# Altium PCB CMS015.PcbDoc
Units mm, origin at the board's own origin, x right, y up, seen from the top; angles counter-clockwise.
Board outline 38.85 x 64.65 mm, 2 copper layers (Top Layer, Bottom Layer); 2 components, 24 nets, 62 pads, 3 vias.
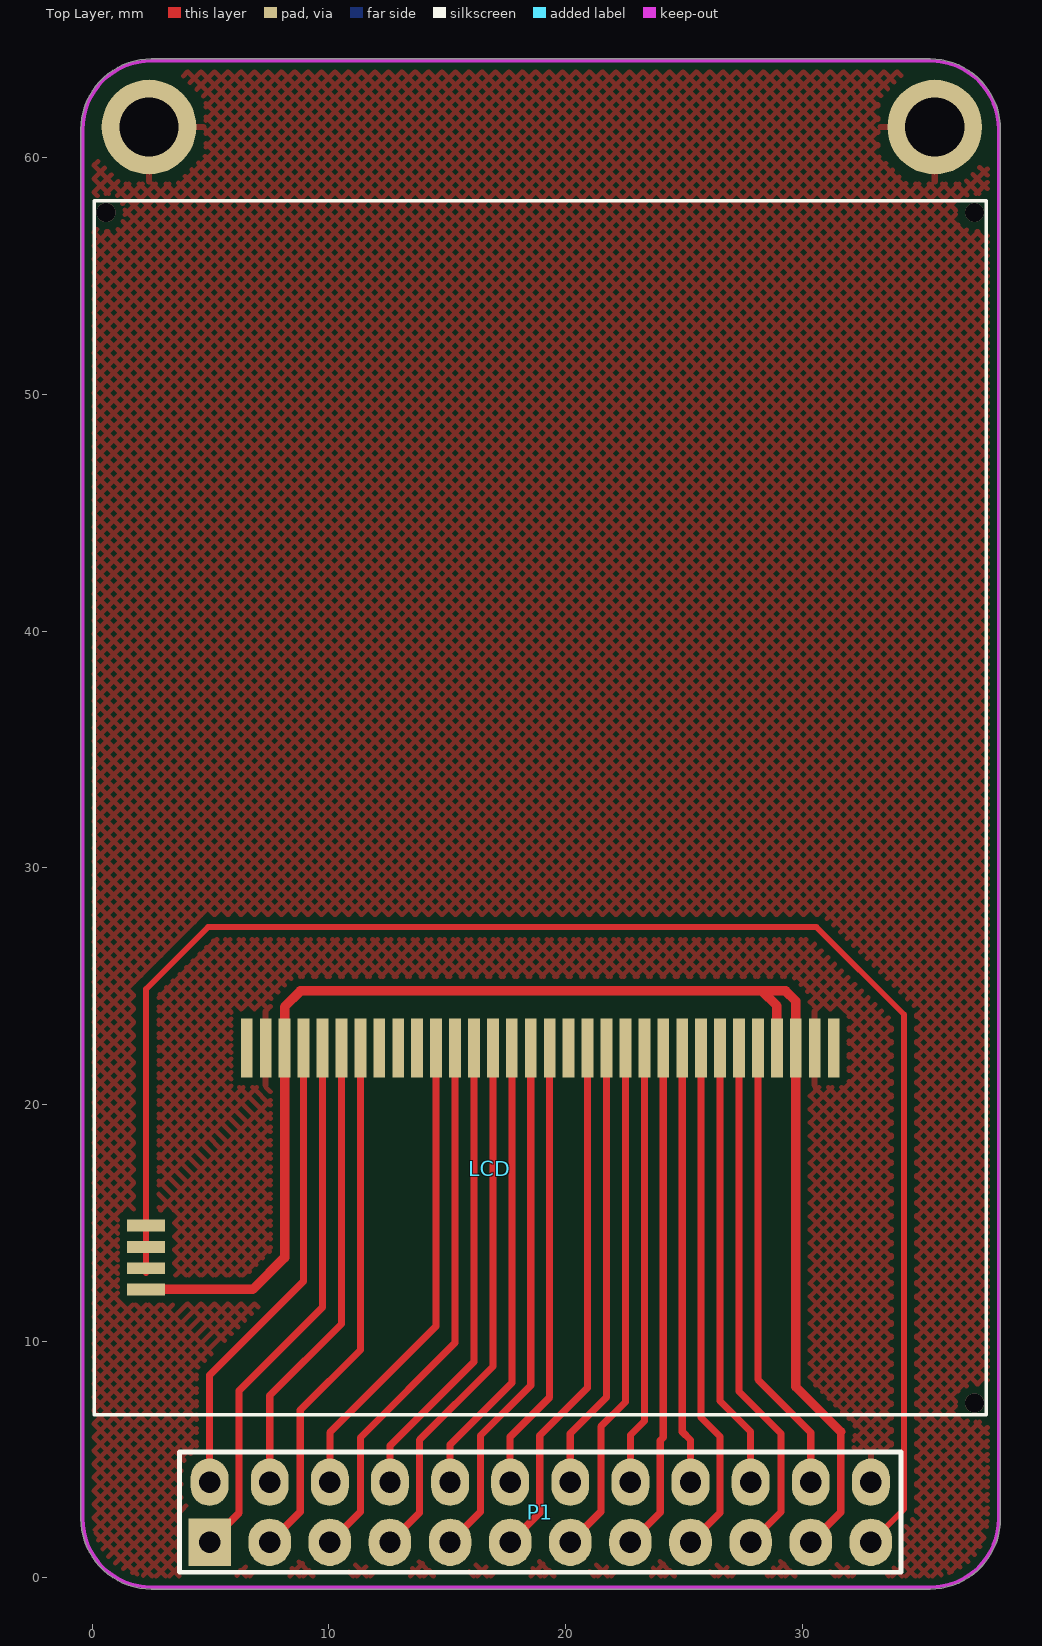
[diagram p0: Top Layer view]
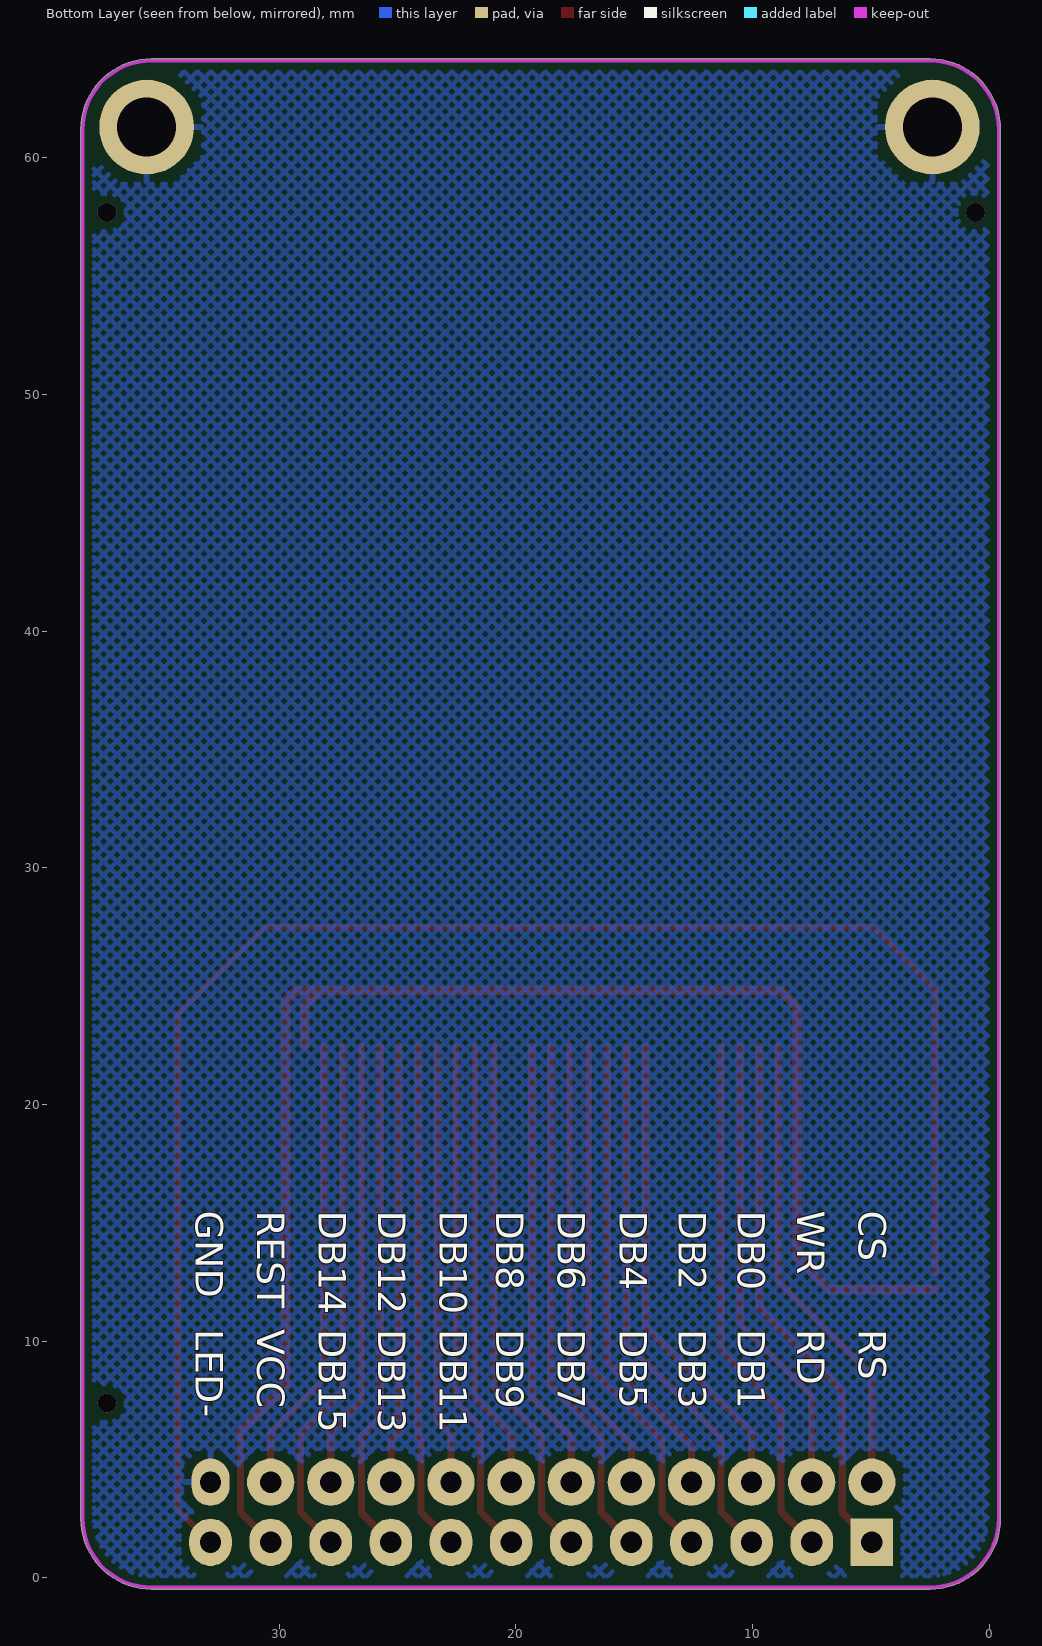
[diagram p1: Bottom Layer view, seen from below]

## Layer stack, top to bottom
Top Layer: signal copper 0.0356
Dielectric: dielectric 0.32, FR-4, Dk 4.8
Bottom Layer: signal copper 0.0356

## Board outline
-0.475,2.5 ccw(c2.5,2.5) 2.5,-0.475 35.4,-0.475 ccw(c35.4,2.5) 38.375,2.5 38.375,61.2 ccw(c35.4,61.2) 35.4,64.175 2.5,64.175 ccw(c2.5,61.2) -0.475,61.2

## Design rules (kind name [scope] priority, off if disabled: settings)
Clearance [All] p1: gap=0.3
PolygonConnect [All] p1: connectstyle=Relief reliefconductorwidth=0.254 reliefentries=4 polygonreliefangle="90 Angle"
RoutingVias [All] p1: holewidth=0.711 width=1.27 viastyle="Through Hole" minholewidth=0.711 minwidth=1.27 maxholewidth=0.711 maxwidth=1.27
SilkscreenOverComponentPads [All] p1: minsilkscreentomaskgap=0.254
SolderMaskExpansion [All] p1: expansion=0.102
Width [All] p1: maxlimit=3 minlimit=0.254 preferedwidth=0.254 minimp=50.000000 maximp=50.000000 favimp=50.000000
27 further rules are at their usual default settings.

## Components (designator, comment, footprint, x,y, rotation, side; value= is the part's Value field where it differs from the comment)
LCD "T20FGS02" LCD_T20FGS02 6.529,22.382 r0 top locked
P1 "Header 12X2" HDR2X12 4.96,1.5 r0 top locked

## Footprints (in the part's own frame and the unit in brackets; to place one, negate y for a bottom-side part, rotate by r counter-clockwise, add the part's x,y. Pads: shape width x height; smd on the part's side, far side on the other; paste and mask are expansions set on the pad)
HDR2X12 [mm] "Connector; Header; 12x2 Position"
  rect 1.8x2 hole 0.9: 1(0,0)
  oval 1.6x2 / inner oval 1.6x2 / far side round 2 hole 0.9: 2(0,2.54) 4(2.54,2.54) 6(5.08,2.54) 8(7.62,2.54) 10(10.16,2.54) 12(12.7,2.54) 14(15.24,2.54) 16(17.78,2.54) 18(20.32,2.54) 20(22.86,2.54) 22(25.4,2.54)
  oval 1.8x2 hole 0.9: 3(2.54,0) 5(5.08,0) 7(7.62,0) 9(10.16,0) 11(12.7,0) 13(15.24,0) 15(17.78,0) 17(20.32,0) 19(22.86,0) 21(25.4,0) 23(27.94,0)
  oval 1.6x2 hole 0.9: 24(27.94,2.54)
  silkscreen extent -1.27,-1.27 29.21,3.81
LCD_T20FGS02 [mm]
  rect 0.5x2.5 smd: 1(0,0) 2(0.8,0) 3(1.6,0) 4(2.4,0) 5(3.2,0) 6(4,0) 7(4.8,0) 8(5.6,0) 9(6.4,0) 10(7.2,0) 11(8,0) 12(8.8,0) 13(9.6,0) 14(10.4,0) 15(11.2,0) 16(12,0) 17(12.8,0) 18(13.6,0) 19(14.4,0) 20(15.2,0) 21(16,0) 22(16.8,0) 23(17.6,0) 24(18.4,0) 25(19.2,0) 26(20,0) 27(20.8,0) 28(21.6,0) 29(22.4,0) 30(23.2,0) 31(24,0) 32(24.8,0)
  rect 1.6x0.5 smd: 33(-4.25,-7.5) 34(-4.25,-8.4) 35(-4.25,-9.3) 36(-4.25,-10.2)
  silkscreen extent -6.45,-15.5 31.25,35.8

## Part data
LCD: library part LCD_T20FGS02
P1: "Header, 12-Pin, Dual row"

## Free pads (board coordinates)
  round 4 hole 2.5: 3(2.4,61.3) 3(35.6,61.3)

## Via types
v1: diameter 0.8, hole 0.8, Top Layer to Bottom Layer, 3 vias

## Nets (pads, with @x,y where several pads share a name; then routed paths per layer and width w, separated by ;. In a path a pad name is that pad's centre, name@x,y a point inside that pad or via, vN(x,y) a via of type N, cw(c..) or ccw(c..) an arc to the next point about the centre after c; other vN are vias at no path point)
CS: LCD.4 P1.2 | length 20.1
  Top Layer w0.3: P1.2 4.96,8.56 8.929,12.529 LCD.4@8.929,22.482
DB0: LCD.11 P1.6 | length 20.3
  Top Layer w0.3: P1.6 10.04,6.14 14.529,10.629 LCD.11@14.529,22.482
DB1: LCD.12 P1.5 | length 23.2
  Top Layer w0.3: P1.5 11.33,2.79 11.33,5.93 15.329,9.929 LCD.12@15.329,22.482
DB2: LCD.13 P1.8 | length 19.9
  Top Layer w0.3: P1.8 12.58,5.58 16.129,9.129 LCD.13@16.129,22.482
DB3: LCD.14 P1.7 | length 22.8
  Top Layer w0.3: P1.7 13.83,2.75 13.83,5.83 16.929,8.929 LCD.14@16.929,22.482
DB4: LCD.15 P1.10 | length 19.5
  Top Layer w0.3: P1.10 15.12,5.62 17.729,8.229 LCD.15@17.729,22.482
DB5: LCD.16 P1.9 | length 22.4
  Top Layer w0.3: P1.9 16.41,2.79 16.41,6.01 18.529,8.129 LCD.16@18.529,22.482
DB6: LCD.17 P1.12 | length 19.1
  Top Layer w0.3: P1.12 17.66,5.96 19.329,7.629 LCD.17@19.329,22.482
DB7: LCD.19 P1.11 | length 22.3
  Top Layer w0.3: P1.11 18.91,2.75 18.91,6.01 20.929,8.029 LCD.19@20.929,22.482
DB8: LCD.20 P1.14 | length 19.1
  Top Layer w0.3: P1.14 20.2,6.1 21.729,7.629 LCD.20@21.729,22.482
DB9: LCD.21 P1.13 | length 21.9
  Top Layer w0.3: P1.13 21.49,2.79 21.49,6.39 22.529,7.429 LCD.21@22.529,22.482
DB10: LCD.22 P1.16 | length 18.7
  Top Layer w0.3: P1.16 22.74,6.04 23.329,6.629 LCD.22@23.329,22.482
DB11: LCD.23 P1.15 | length 21.6
  Top Layer w0.3: P1.15 24,2.76 24,5.8 24.129,5.929 LCD.23@24.129,22.482
DB12: LCD.24 P1.18 | length 18.6
  Top Layer w0.3: LCD.24@24.929,22.482 24.929,6.171 25.28,5.82 P1.18
DB13: LCD.25 P1.17 | length 21.8
  Top Layer w0.3: P1.17 26.53,2.75 26.53,5.97 25.729,6.771 LCD.25@25.729,22.482
DB14: LCD.26 P1.20 | length 19
  Top Layer w0.3: LCD.26@26.529,22.482 26.529,7.471 27.82,6.18 P1.20
DB15: LCD.27 P1.19 | length 22.2
  Top Layer w0.3: LCD.27@27.329,22.482 27.329,7.871 29.1,6.1 29.1,2.78 P1.19
GND: LCD.2 LCD.31 P1.24 pad.3
LED-: LCD.33 LCD.34 LCD.35 P1.23 | length 69.5
  Top Layer w0.254: LCD.35@2.279,12.882 2.279,13.882 LCD.33 2.279,24.879 4.9,27.5 30.6,27.5 34.3,23.8 34.3,2.9 P1.23
RD: LCD.7 P1.3 | length 22.6
  Top Layer w0.3: P1.3 8.79,2.79 8.79,7.09 11.329,9.629 LCD.7@11.329,22.482
REST: LCD.28 P1.22 | length 19.4
  Top Layer w0.3: LCD.28@28.129,22.482 28.129,8.371 30.36,6.14 P1.22
RS: LCD.5 P1.1 | length 23
  Top Layer w0.3: P1.1 6.21,2.75 6.21,7.91 9.729,11.429 LCD.5@9.729,22.482
VCC: LCD.3 LCD.29 LCD.30 LCD.36 P1.21 | length 66.1
  Top Layer w0.3: P1.21 31.63,2.77 31.63,6.17
  Top Layer w0.4: LCD.36 6.782,12.182 8.129,13.529 LCD.3 8.129,24.129 8.8,24.8 28.3,24.8 ; 28.5,24.6 28.3,24.8 ; LCD.29@28.929,22.482 28.929,24.171 28.3,24.8 ; 31.63,6.17 29.729,8.071 29.729,24.371 29.3,24.8 28.3,24.8
WR: LCD.6 P1.4 | length 19.7
  Top Layer w0.3: P1.4 7.5,7.7 10.529,10.729 LCD.6@10.529,22.482
pads on no net: LCD.1 LCD.8 LCD.9 LCD.10 LCD.18 LCD.32
copper on no net:
  other v1: 37.279,7.382 0.579,57.682 37.279,57.682

## Polygon pours and split planes (outlines as drawn)
GND on Top Layer "Bottom Layer-No Net" (hatched 45Degree grid 0.4 track 0.2, remove dead copper, pour order 2): -0.4,59.3 -0.4,61.56 cw(c2.14,61.56) 2.14,64.1 3.8,64.1 35.76,64.1 cw(c35.76,61.56) 38.3,61.56 38.3,58.7 38.3,2.14 cw(c35.76,2.14) 35.76,-0.4 35,-0.4 2.14,-0.4 cw(c2.14,2.14) -0.4,2.14 -0.4,2.5
GND on Bottom Layer "Bottom Layer-No Net" (hatched 45Degree grid 0.4 track 0.2, remove dead copper, pour order 4): -0.4,57 -0.4,61.56 cw(c2.14,61.56) 2.14,64.1 4.6,64.1 35.76,64.1 cw(c35.76,61.56) 38.3,61.56 38.3,53.8 38.3,2.14 cw(c35.76,2.14) 35.76,-0.4 30.8,-0.4 2.14,-0.4 cw(c2.14,2.14) -0.4,2.14 -0.4,3.7

## Keep-outs
Keep-Out Layer:
  lines w0.15: -0.4,2.5 ccw(c2.5,2.5) 2.5,-0.4 35.4,-0.4 ccw(c35.4,2.5) 38.3,2.5 38.3,61.2 ccw(c35.4,61.2) 35.4,64.1 2.5,64.1 ccw(c2.5,61.2) -0.4,61.2 -0.4,2.5

## Silkscreen, mask and mechanical layers (free items; w line width, h text height)
Bottom Overlay:
  text "CS" at 5.9,15.5 h2 r90
  text "WR" at 8.5,15.5 h2 r90
  text "DB0" at 11,15.5 h2 r90
  text "DB2" at 13.5,15.5 h2 r90
  text "DB4" at 16,15.5 h2 r90
  text "DB6" at 18.6,15.5 h2 r90
  text "DB8" at 21.2,15.5 h2 r90
  text "DB10" at 23.6,15.5 h2 r90
  text "DB12" at 26.2,15.5 h2 r90
  text "DB14" at 28.7,15.5 h2 r90
  text "REST" at 31.3,15.5 h2 r90
  text "GND" at 33.9,15.5 h2 r90
  text "RS" at 5.9,10.5 h2 r90
  text "RD" at 8.5,10.5 h2 r90
  text "DB1" at 11,10.5 h2 r90
  text "DB3" at 13.5,10.5 h2 r90
  text "DB5" at 16,10.5 h2 r90
  text "DB7" at 18.6,10.5 h2 r90
  text "DB9" at 21.2,10.5 h2 r90
  text "DB11" at 23.6,10.5 h2 r90
  text "DB13" at 26.2,10.5 h2 r90
  text "DB15" at 28.7,10.5 h2 r90
  text "VCC" at 31.3,10.5 h2 r90
  text "LED-" at 33.9,10.5 h2 r90